# Altium PCB EL6905.PcbDoc (part 1 of 2)
Units mm, origin at the board's own origin, x right, y up, seen from the top; angles counter-clockwise.
Board outline 61 x 34 mm, 6 copper layers (L1_TOP, L2_GND, L3_HS, L4_POWER, L5_GND, L6_BOT), stack 1.565 mm thick; 99 components, 73 nets, 328 pads, 161 vias.
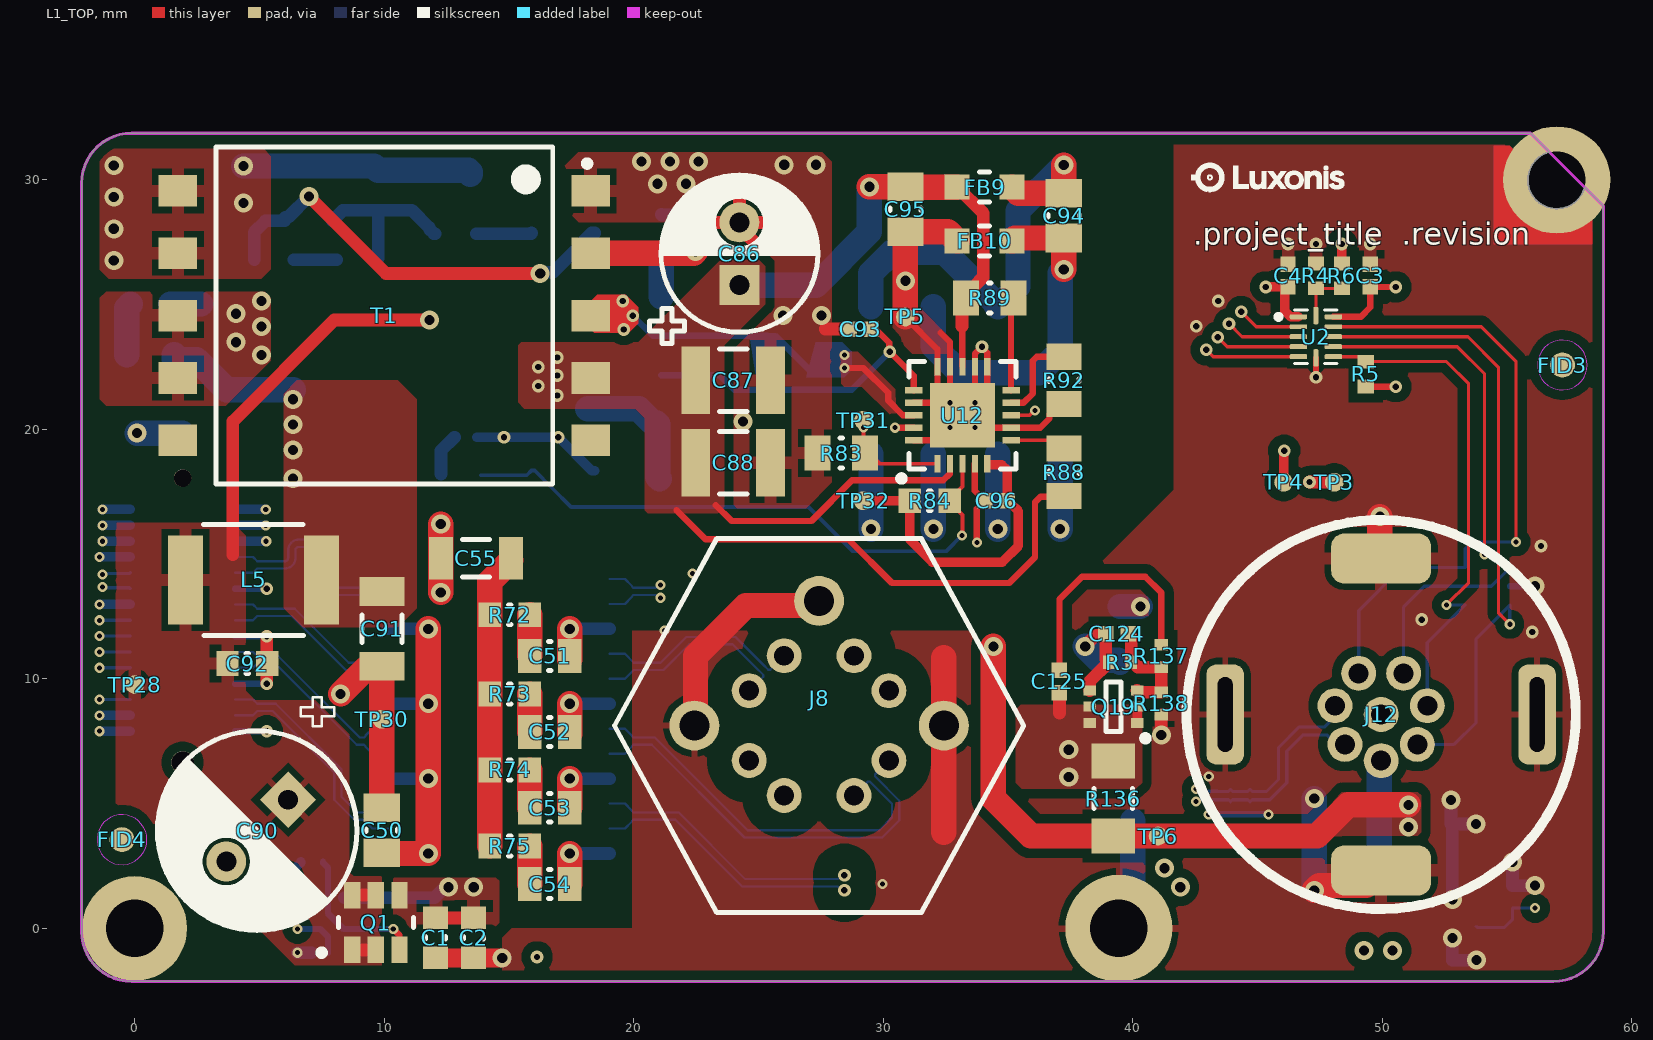
[diagram p0: L1_TOP view]
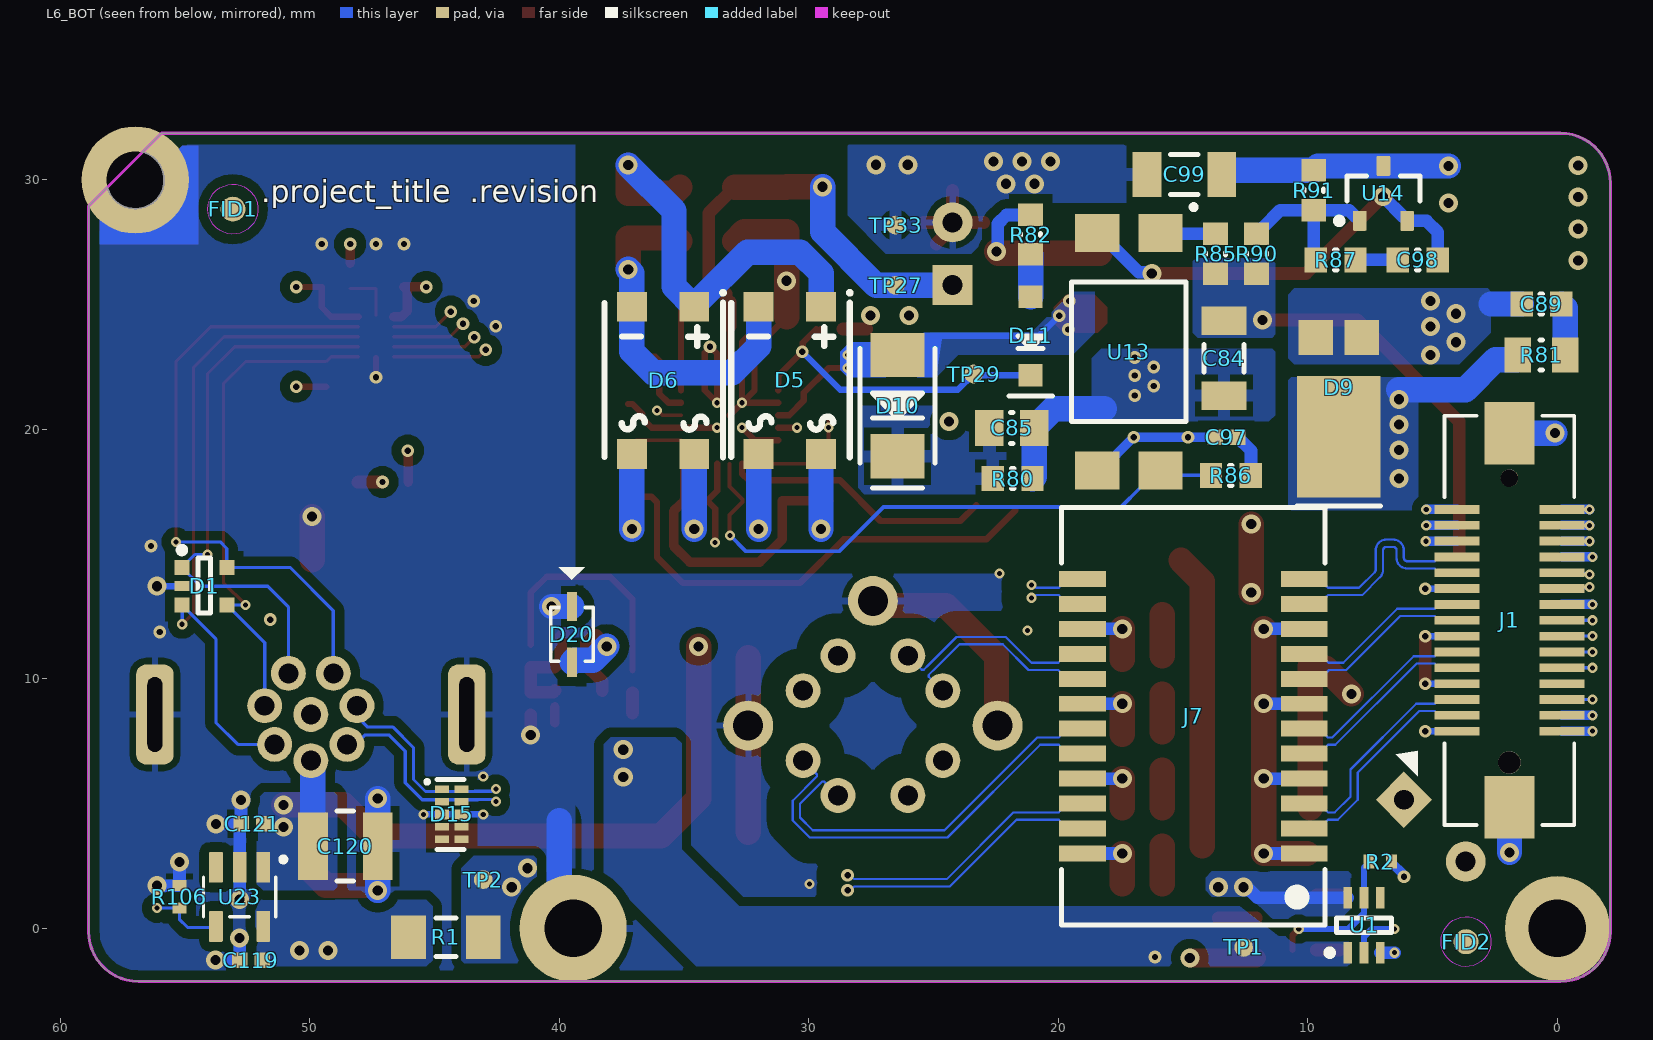
[diagram p1: L6_BOT view, seen from below]
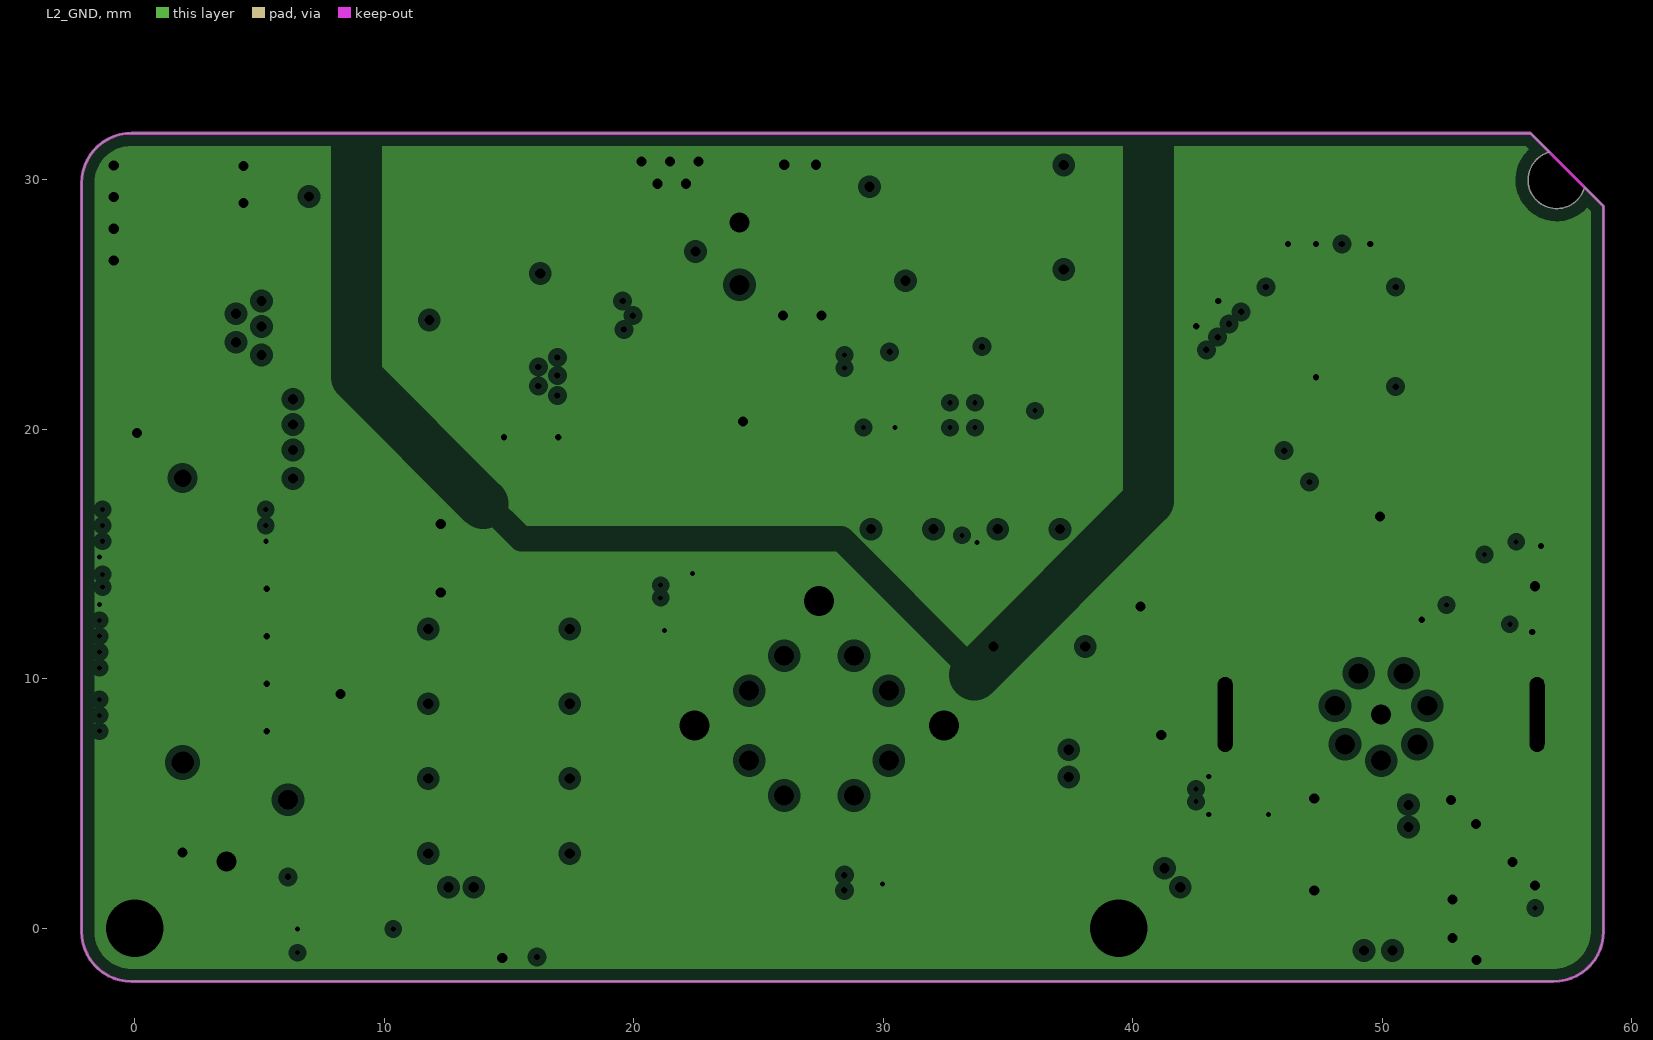
[diagram p2: L2_GND, clearances drawn from the general rule]
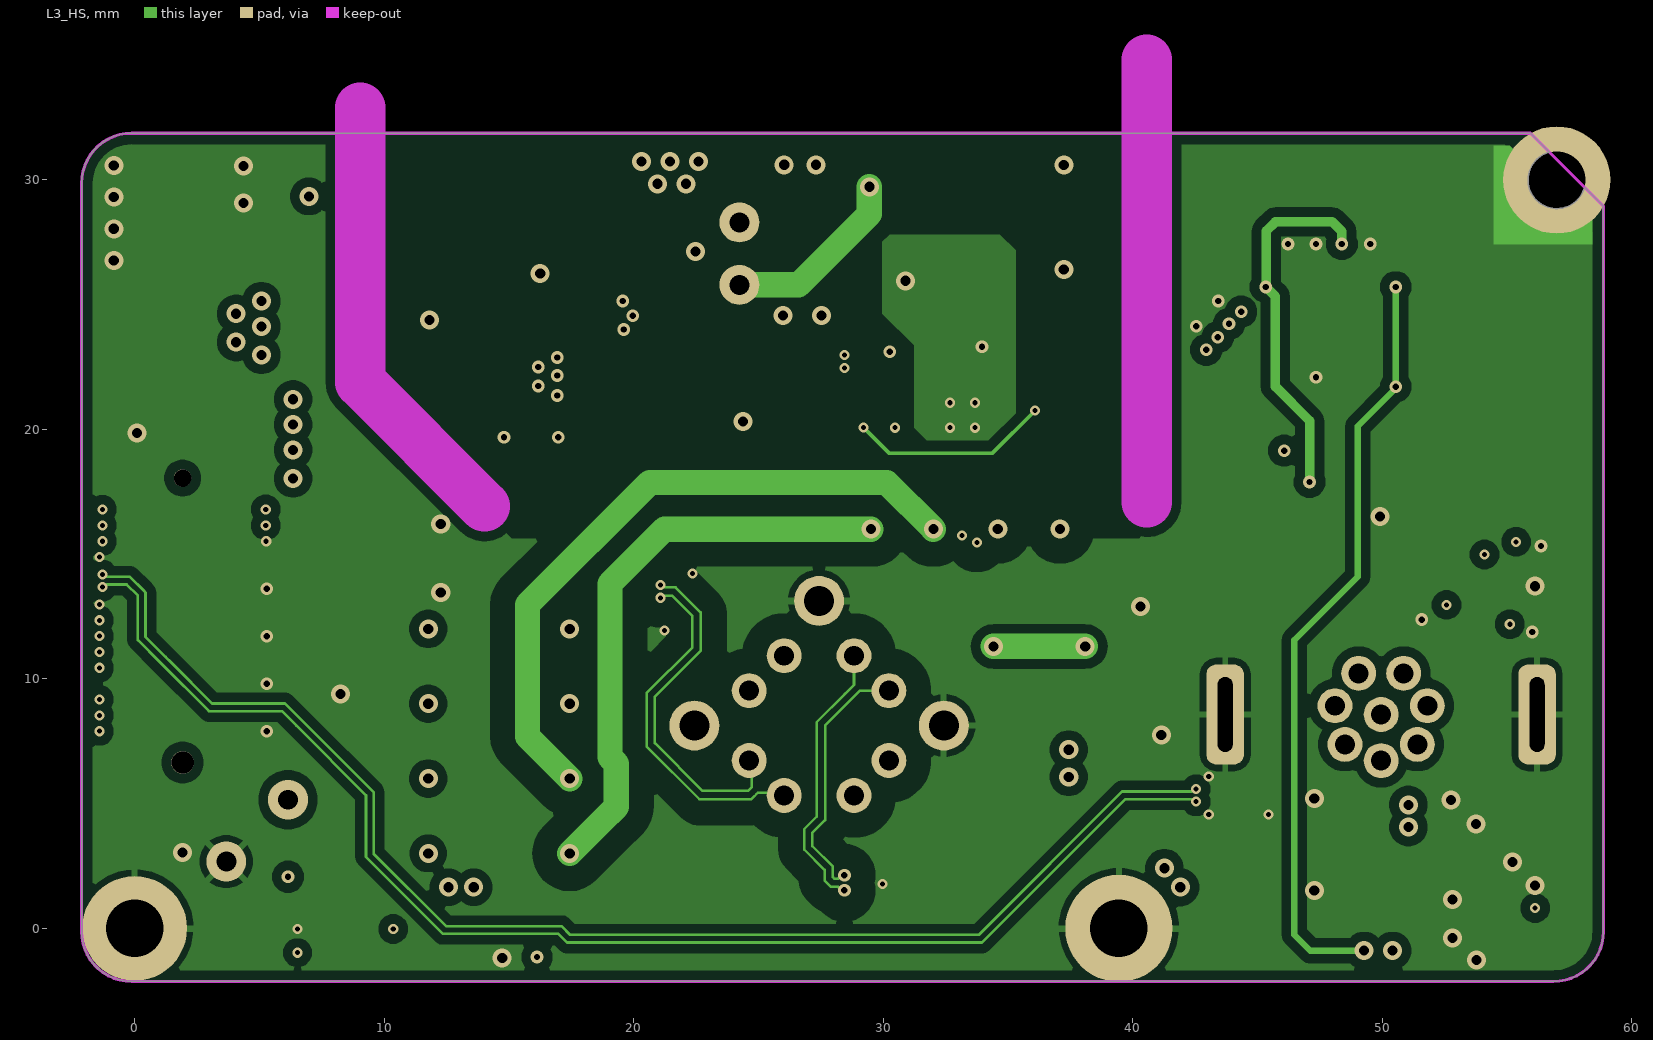
[diagram p3: L3_HS]
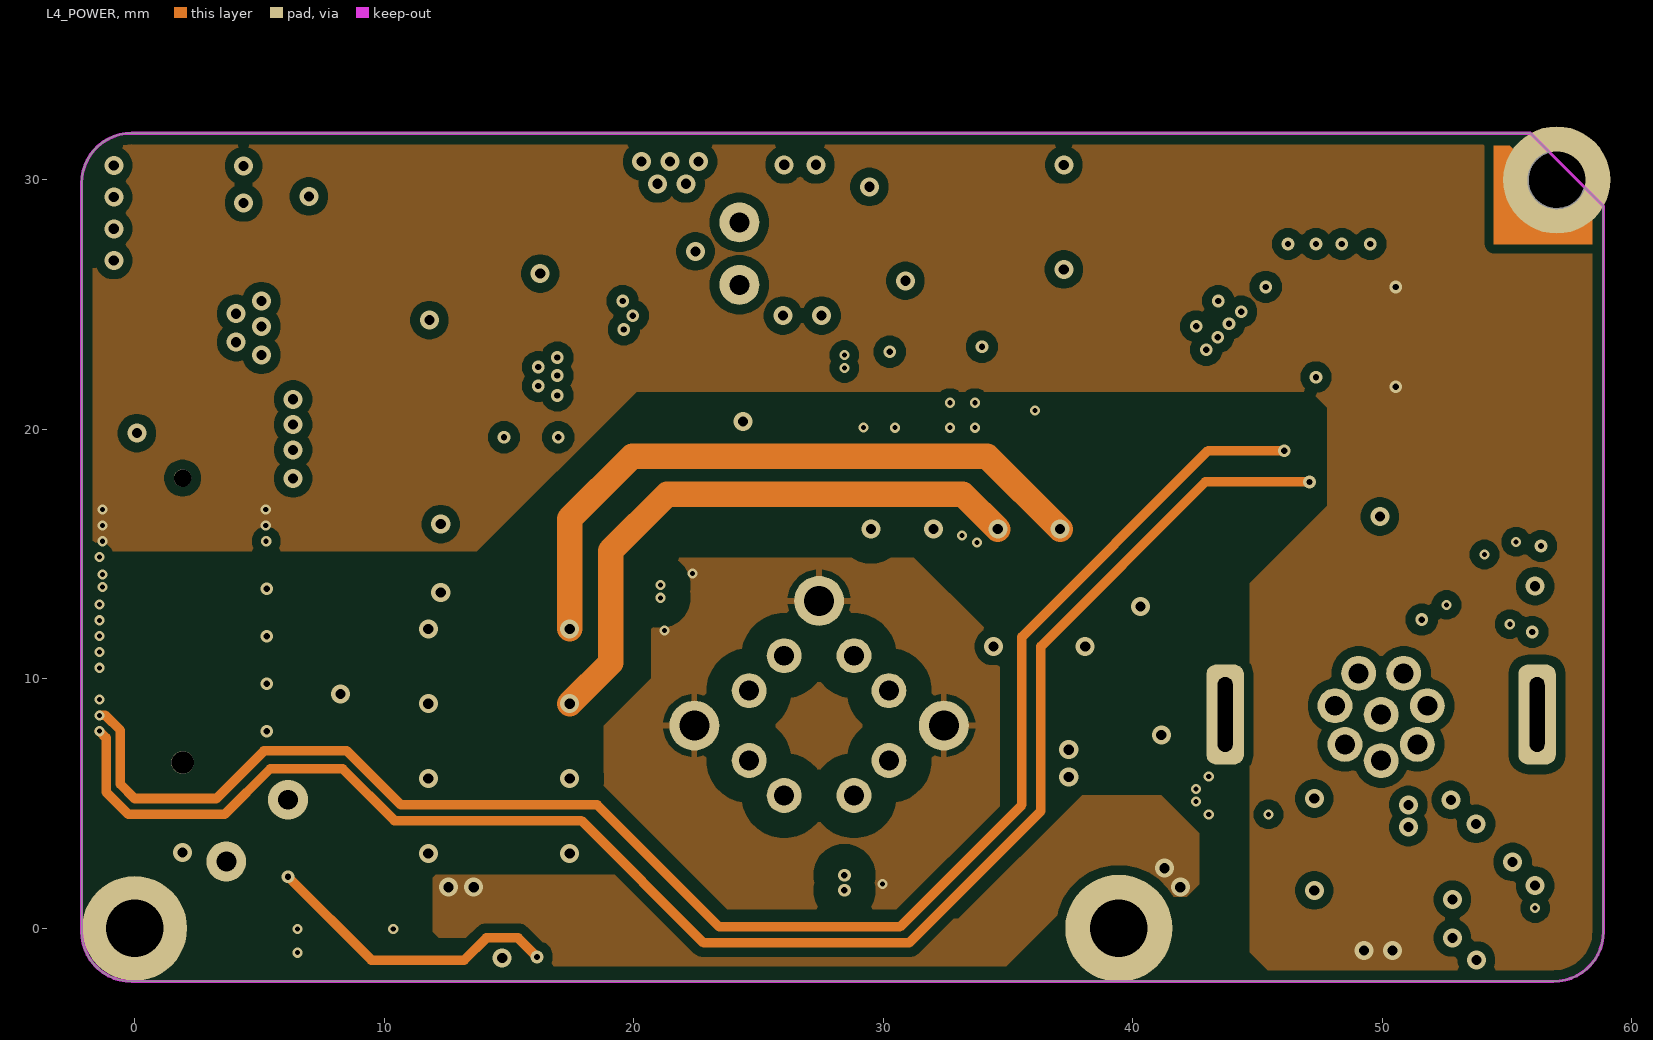
[diagram p4: L4_POWER]
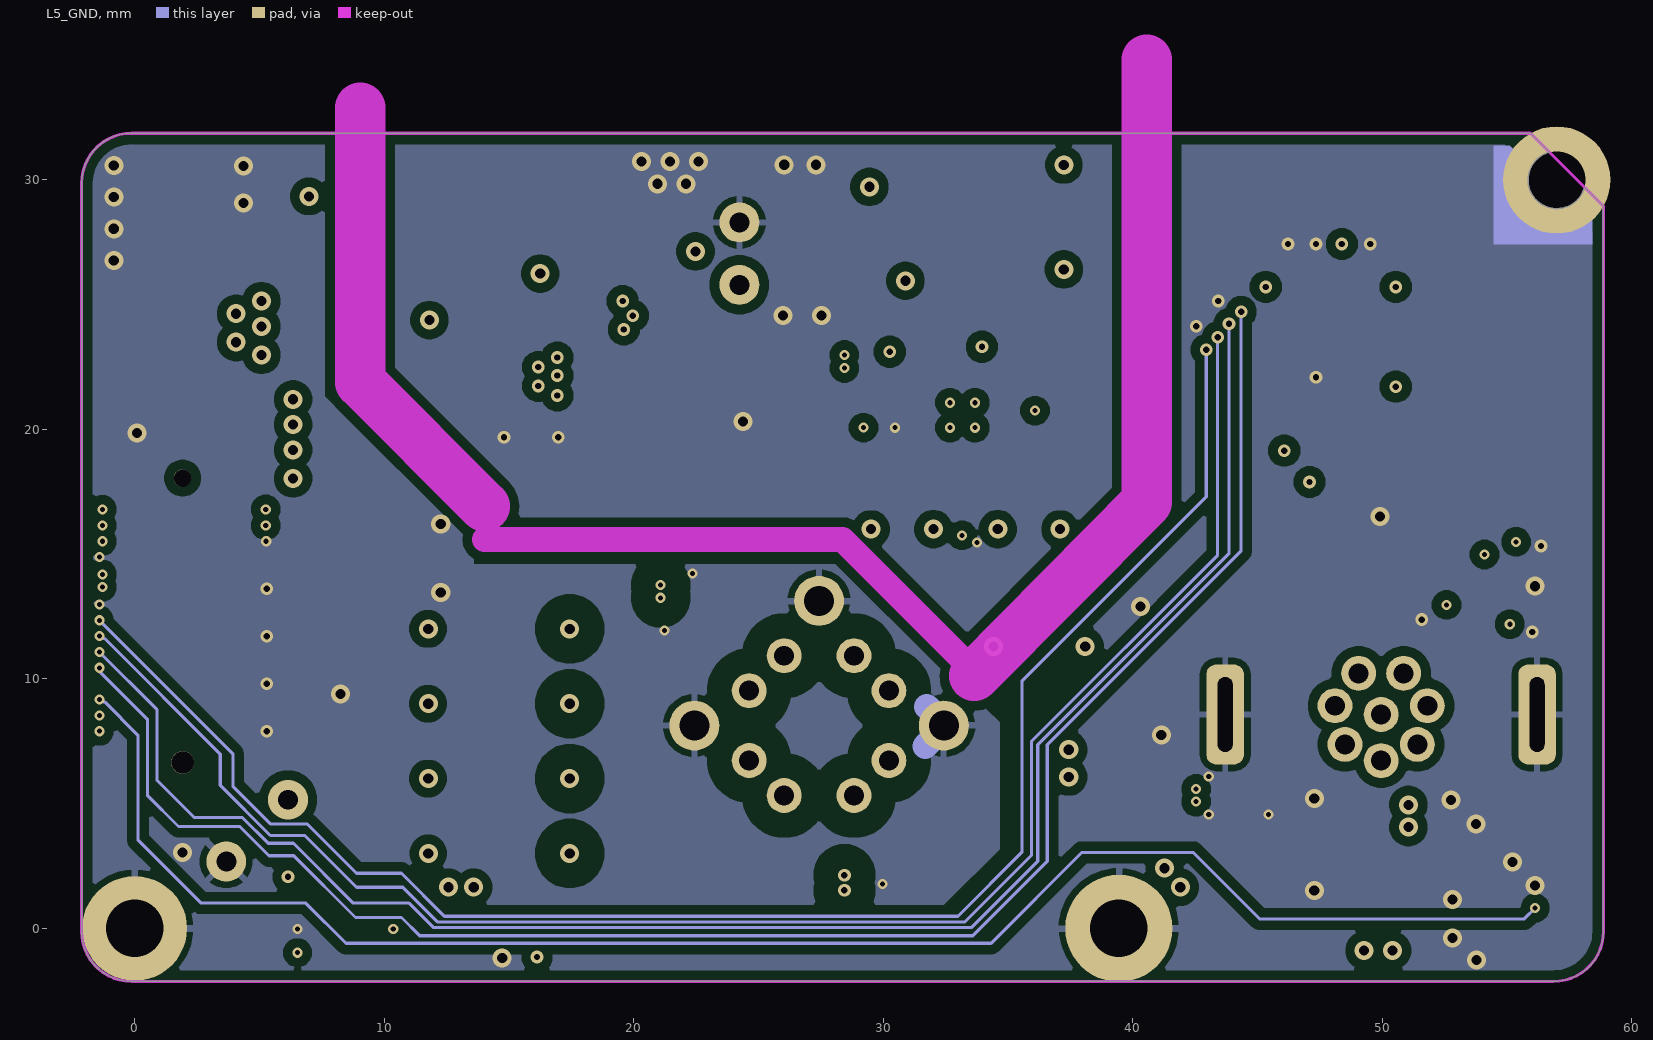
[diagram p5: L5_GND]

## Layer stack, top to bottom
Top Mask: solder mask 0.0178, Solder Resist, Dk 3.8
L1_TOP: signal copper 0.0356
Dielectric 1: prepreg 0.0762, 2313, Dk 4.05
L2_GND: plane copper 0.033, net (Multiple Nets)
Core 1: core 0.1016, FR-4, Dk 4.5
L3_HS: signal copper 0.033
core3: prepreg 1.0058, 2116, Dk 4.25
L4_POWER: signal copper 0.033
Core 2: core 0.1016, FR-4, Dk 4.5
L5_GND: signal copper 0.033
Dielectric 3: prepreg 0.0762, 2313, Dk 4.05
L6_BOT: signal copper 0.0356
Bottom Mask: solder mask 0.0178, Solder Resist, Dk 3.8

## Board outline
-2.127,-0.127 ccw(c-0.127,-0.127) -0.127,-2.127 56.873,-2.127 ccw(c56.873,-0.127) 58.873,-0.127 58.873,28.95 58.113,29.71 cw(c57,30) 56.71,31.113 55.95,31.873 -0.127,31.873 ccw(c-0.127,29.873) -2.127,29.873

## Design rules (kind name [scope] priority, off if disabled: settings)
AssemblyTestPointUsage [All] p1: valid=2
BoardOutlineClearance [All] p1: gap=0.381 ignorepadtopadclearanceinfootprint=FALSE except(0: THPad-OutlineEdge)
Clearance PoE_J8 [InComponent('J8') or InNetClass('ETH_PRIM')  or InNetClass('PoE') vs InPolygon and InNet('GND')] p1: gap=1 ignorepadtopadclearanceinfootprint=TRUE
Clearance "DP to DP" [All] p2: gap=0.381 ignorepadtopadclearanceinfootprint=FALSE
Clearance "DP to other" [IsDifferentialPair] p3: gap=0.381 ignorepadtopadclearanceinfootprint=TRUE
Clearance PoE_GND [InNetClass('PoE') vs InNet('GND')] p4: gap=1 ignorepadtopadclearanceinfootprint=TRUE
Clearance PoE [InNetClass('PoE')] p5: gap=0.254 ignorepadtopadclearanceinfootprint=TRUE except(0.102: Track-SMDPad; 0.203: Arc-Track Track-Track)
Clearance general [All] p6: gap=0.102 ignorepadtopadclearanceinfootprint=TRUE except(0.254: Arc-Poly Track-Poly SMDPad-Poly THPad-Poly Via-Poly Fill-Poly Poly-Poly Poly-Region Poly-Text Poly-Hole)
ComponentClearance [All] p1: gap=0 collisioncheckmode=3 verticalgap=0 showdistances=FALSE
DiffPairsRouting 90ohm [InDifferentialPairClass('90ohm')] p1: maxlimit=0.254 minlimit=0.127 mostfreqgap=0.254 toplayer_mingap=0.203 toplayer_maxgap=0.203 toplayer_prefgap=0.203 toplayer_minwidth=0.127 toplayer_maxwidth=0.127 toplayer_prefwidth=0.127 midlayer2_mingap=0.203 midlayer2_maxgap=0.203 midlayer2_prefgap=0.203 midlayer2_minwidth=0.106 midlayer2_maxwidth=0.106 midlayer2_prefwidth=0.106 bottomlayer_mingap=0.203 bottomlayer_maxgap=0.203 bottomlayer_prefgap=0.203 bottomlayer_minwidth=0.127 bottomlayer_maxwidth=0.127 bottomlayer_prefwidth=0.127 impedanceprofiledriven=TRUE impedanceprofileid={86B41CE9-344F-4982-9283-744235B62342} impedanceprofilevalue=90.000000 maxuncoupledlength=12.7
DiffPairsRouting 100ohm [InDifferentialPairClass('100ohm')] p2: maxlimit=0.267 minlimit=0.127 mostfreqgap=0.254 toplayer_mingap=0.203 toplayer_maxgap=0.203 toplayer_prefgap=0.203 toplayer_minwidth=0.089 toplayer_maxwidth=0.089 toplayer_prefwidth=0.089 midlayer2_mingap=0.229 midlayer2_maxgap=0.229 midlayer2_prefgap=0.229 midlayer2_minwidth=0.102 midlayer2_maxwidth=0.102 midlayer2_prefwidth=0.102 bottomlayer_mingap=0.203 bottomlayer_maxgap=0.203 bottomlayer_prefgap=0.203 bottomlayer_minwidth=0.089 bottomlayer_maxwidth=0.089 bottomlayer_prefwidth=0.089 impedanceprofiledriven=TRUE impedanceprofileid={980D49B1-4842-4C85-BE42-F6056FE0C244} impedanceprofilevalue=100.000000 maxuncoupledlength=12.7
FabricationTestPointUsage [All] p1: valid=2 allowmultiple=FALSE
HoleSize [All] p1: absolutevalues=TRUE maxlimit=3.81 minlimit=0.202 maxpercent=80.000 minpercent=20.000
HoleToHoleClearance [All] p1: gap=0.254 allowstackedmicrovias=FALSE
MatchedLengths "ETH ITER" [InNetClass('ETH')] p1: tolerance=25.4 checknetsindiffpair=FALSE checkdiffpairvsdiffpair=TRUE checkxsignals=TRUE checkothers=TRUE usedelayunits=TRUE delaytolerance=10.000000
MatchedLengths ETH_INTRA [InNetClass('ETH')] p2: tolerance=25.4 checknetsindiffpair=TRUE checkdiffpairvsdiffpair=FALSE checkxsignals=FALSE checkothers=FALSE usedelayunits=TRUE delaytolerance=1.000000
MatchedLengths USB [InNetClass('USB2')] p3: tolerance=1.27 checknetsindiffpair=TRUE checkdiffpairvsdiffpair=FALSE checkxsignals=FALSE checkothers=FALSE usedelayunits=TRUE delaytolerance=0.500000
MinimumSolderMaskSliver USB3_Connector [HasFootprint('105450-0101')  OR HasFootprint('CX80B1-24P') OR HasFootprint('TPD4E02B04DQAR')  OR HasFootprint('RTL8111HX-CG')] p1: minsoldermaskwidth=0.003
MinimumSolderMaskSliver RTL8111 [HasFootprint('CX80B1-24P')] p2: minsoldermaskwidth=0.003
MinimumSolderMaskSliver [All] p3: minsoldermaskwidth=0.025
PlaneClearance [All] p1: clearance=0.254
PlaneConnect [All] p1: pad.planeconnectstyle=Relief pad.reliefexpansion=0.508 pad.reliefentries=4 pad.reliefconductorwidth=0.254 pad.reliefairgap=0.254 via.planeconnectstyle=Direct via.reliefexpansion=0.508 via.reliefentries=4 via.reliefconductorwidth=0.254 via.reliefairgap=0.254
PolygonConnect DirectConnect [InPolygonClass('DirectConnectPoly')  or InPadClass('full')] p1: connectstyle=Direct reliefconductorwidth=0.254 reliefentries=4 polygonreliefangle="90 Angle" airgapwidth=0.254
PolygonConnect OuterLayerGND_PolyClass [InPolygonClass('OuterLayerGND')] p2: thpad.connectstyle=Relief thpad.reliefconductorwidth=0.254 thpad.reliefentries=4 thpad.polygonreliefangle="90 Angle" thpad.airgapwidth=0.254 smdpad.connectstyle=Direct smdpad.reliefconductorwidth=0.254 smdpad.reliefentries=4 smdpad.polygonreliefangle="90 Angle" smdpad.airgapwidth=0.254 via.connectstyle=Direct via.reliefconductorwidth=0.254 via.reliefentries=4 via.polygonreliefangle="90 Angle" via.airgapwidth=0.254
PolygonConnect PoE_Poly [InPolygonClass('PoE_Poly')] p3: thpad.connectstyle=Direct thpad.reliefconductorwidth=0.254 thpad.reliefentries=4 thpad.polygonreliefangle="90 Angle" thpad.airgapwidth=0.254 smdpad.connectstyle=Relief smdpad.reliefconductorwidth=0.508 smdpad.reliefentries=4 smdpad.polygonreliefangle="90 Angle" smdpad.airgapwidth=0.254 via.connectstyle=Direct via.reliefconductorwidth=0.254 via.reliefentries=4 via.polygonreliefangle="90 Angle" via.airgapwidth=0.254
PolygonConnect Default [All] p4: thpad.connectstyle=Relief thpad.reliefconductorwidth=0.254 thpad.reliefentries=4 thpad.polygonreliefangle="90 Angle" thpad.airgapwidth=0.254 smdpad.connectstyle=Relief smdpad.reliefconductorwidth=0.508 smdpad.reliefentries=4 smdpad.polygonreliefangle="90 Angle" smdpad.airgapwidth=0.254 via.connectstyle=Direct via.reliefconductorwidth=0.254 via.reliefentries=4 via.polygonreliefangle="90 Angle" via.airgapwidth=0.254
RoutingVias [All] p1: holewidth=0.254 width=0.508 viastyle="Through Hole" minholewidth=0.203 minwidth=0.406 maxholewidth=0.406 maxwidth=0.762 viatemplateguid#1={AFD3C757-6674-4325-9C89-C96F800CF956} viatemplatename#1=v41h20m0mx0
SilkToSilkClearance [All] p1: silktosilkclearance=0.025
SilkToSolderMaskClearance SilkscreenOverComponentException [InComponent('U15')] p1: minsilkscreentomaskgap=0.025 clearancetoexposedcopper=TRUE
SilkToSolderMaskClearance SilkscreenOverComponentPads [IsPad] p2: minsilkscreentomaskgap=0.025 clearancetoexposedcopper=FALSE
SolderMaskExpansion VIA [IsVia] p1: expansion=0.102 istentingtop=TRUE
SolderMaskExpansion [All] p2: expansion=0.051 istentingtop=FALSE
UnRoutedNet [All] p1: checkbadconnections=TRUE
Width "Schematic Width Constraint" [InNetClass('PoE')] p1: maxlimit=1.27 minlimit=0.102 preferedwidth=0.381
Width [All] p2: maxlimit=2.54 minlimit=0.102 preferedwidth=0.127 toplayer_minwidth=0.109 toplayer_maxwidth=1.016 toplayer_prefwidth=0.109 midlayer2_minwidth=0.114 midlayer2_maxwidth=1.016 midlayer2_prefwidth=0.114 midlayer3_minwidth=0.114 midlayer3_maxwidth=1.016 midlayer3_prefwidth=0.114 bottomlayer_minwidth=0.109 bottomlayer_maxwidth=1.016 bottomlayer_prefwidth=0.109 impedanceprofiledriven=TRUE impedanceprofileid={59F7C8B1-EEC4-4BEB-AE0F-907CD8C4E45C} impedanceprofilevalue=50.000000 minimp=50.000000 maximp=50.000000 favimp=50.000000
18 further rules are at their usual default settings.

## Classes and differential pairs
net class ETH_PRIM: TX1_N TX1_P TX2_N TX2_P TX3_N TX3_P TX4_N TX4_P
component class U_Level_shifter: C3 C4 R4 R5 R6 U2
net class PWR: 1V8 3V3 5V_PoE VBUS VBUSIN VDD_5V
pad class full: Q1-1 Q1-2 Q1-3 Q1-4 Q1-5 Q1-6 Q19-1 Q19-2 Q19-3 Q19-4 Q19-5 Q19-6
differential pair class 90ohm: USB_D
net class USB2: USB_D_N USB_D_P
component class U_M8_AUX_CONN: D1 D15 J12
component class U_BTB_CONN: J1 J? TP3 TP4
component class U_M12_ETH_CONN: C50 C51 C52 C53 C54 C55 D5 D6 J7 J8 R72 R73 R74 R75
component class U_POWER_CONTROL: C1 C2 C119 C120 C121 C124 C125 D20 Q1 Q19 Q? R1 R2 R3 R106 R136 R137 R138 TP1 TP2 TP6 U1 U23 U?
component class U_POE_SI3404: C84 C85 C86 C87 C88 C89 C90 C91 C92 C93 C94 C95 C96 C97 C98 C99 D9 D10 D11 FB9 FB10 L5 R80 R81 R82 R83 R84 R85 R86 R87 R88 R89 R90 R91 R92 T1 TP5 TP27 TP28 TP29 TP30 TP31 TP32 TP33 U12 U13 U14
polygon class PoE_Poly: VNEG_IN_L01_P432 VNEG_L01_P434 VNEG_L04_P456 VPOS_IN_L01_P431
polygon class DirectConnectPoly: 5V_POE_L06_P007 NETC1_2_L06_P019 NETC1_2_L06_P024 NETC91_2_L01_P002 NETC91_2_L06_P005 VBUS_L01_P017 VBUS_L06_P016 VBUSIN_L06_P020 VDD_5V_L06_P021 VNEG_L01_P014 VPOS_L01_P011 VSEC_L06_P006
net class PoE: CT1 CT2 NetC51_1 NetC52_1 NetC53_1 NetC54_1 SP1 SP2 SWO VNEG VNEG_IN VPOS VPOS_IN VSS
component class TopLevel: FID1 FID2 FID3 FID4
differential pair class 100ohm: BRIDGE_REFCLK BRIDGE_REFCLK1 CLK MD1 MD1_1 MD2 MD2_1 MD3 MD3_1 MD4 MD4_1 MIPI_RX2_C MIPI_RX2_D0 MIPI_RX2_D1 MIPI_RX3_C MIPI_RX3_D0 MIPI_RX3_D1 MIPI_RX4_C MIPI_RX4_D0 MIPI_RX4_D1 MIPI_RX5_D0 MIPI_RX5_D1 SDS_CLK SDS_IO_CLKI SDS_IO_CLKI1 SDS_RXD SDS_RXD1 SDS_TXD TX1 TX2 TX3 TX4
net class ETH: MD1_N MD1_P MD2_N MD2_P MD3_N MD3_P MD4_N MD4_P
differential pair USB_D: +USB_D_P -USB_D_N
differential pair TX4: +TX4_P -TX4_N
differential pair TX3: +TX3_P -TX3_N
differential pair TX2: +TX2_P -TX2_N
differential pair TX1: +TX1_P -TX1_N
differential pair MD4: +MD4_P -MD4_N
differential pair MD3: +MD3_P -MD3_N
differential pair MD2: +MD2_P -MD2_N
differential pair MD1: +MD1_P -MD1_N
